# Altium PCB RGV_Control_1V21.PcbDoc (part 3 of 6) (continued)
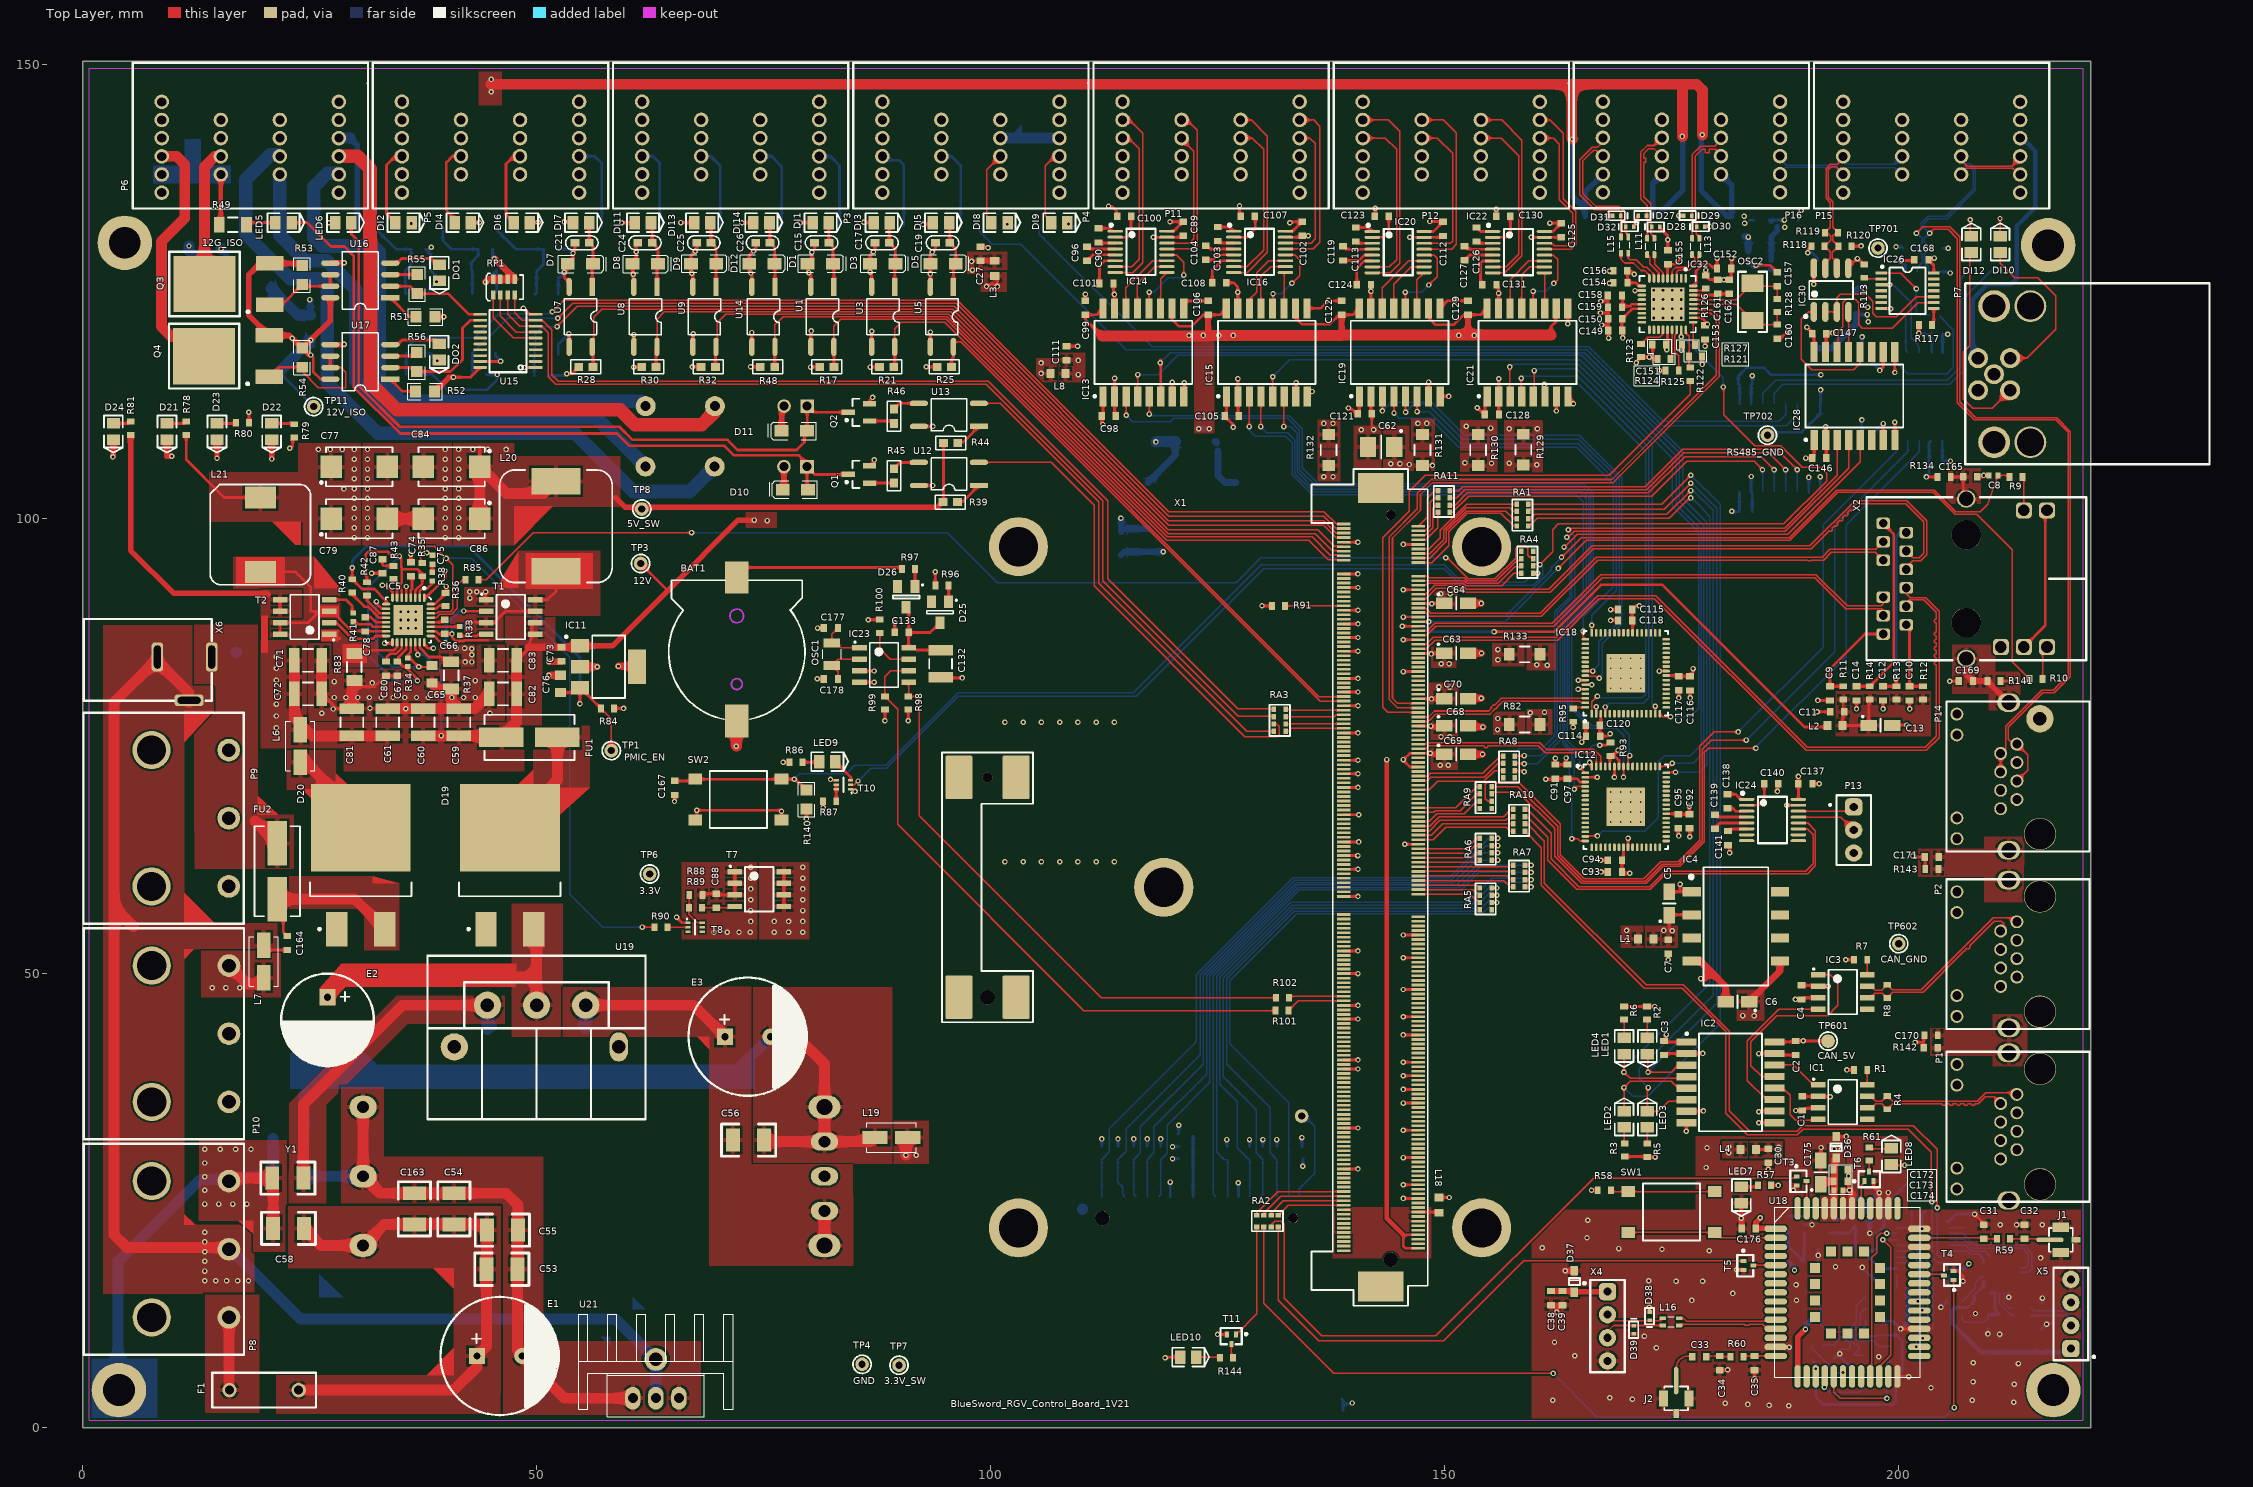
[diagram p0: Top Layer view]
## Nets (pads, with @x,y where several pads share a name; then routed paths per layer and width w, separated by ;. In a path a pad name is that pad's centre, name@x,y a point inside that pad or via, vN(x,y) a via of type N, cw(c..) or ccw(c..) an arc to the next point about the centre after c; other vN are vias at no path point) (continued)
  Top Layer w0.3: C72.1@26.356,80.747 27.981,79.122 C81.1@29.682,79.122 ; 29.936,81.533 32.171,81.533 C80.1@33.518,82.88 ; v1(31.852,94.031) 33.061,94.031 C87.1@33.048,94.018 ; v1(33.274,86.309) 34.04,86.309 IC5.17@34.155,86.425 ; C80.1@33.518,82.753 C67.1@34.671,82.753 C67.1@34.788,82.753 ; IC5.5@35.655,91.325 v1(35.655,92.564) ; C74.1@36.155,95.238 36.175,95.257 v1(36.175,96.125) ; IC5.24@37.655,86.425 37.655,86.17 38.075,85.75 v1(38.659,85.75) ; v1(37.922,96.291) 37.966,96.291 v1@38.087,96.17 ; IC5.32@38.355,90.625 38.835,90.625 39.969,91.759 39.929,91.799 40.081,91.952 v1(40.081,92.564) ; U15.19@43.813,117.324 45.999,117.324 v1(46.05,117.375) ; v1(48.565,123.189) 49.23,122.524 U15.10@49.913,122.524 ; v1(48.675,116.674) U15.1@49.913,116.674 ; C73.1@52.654,84.213 52.723,84.283 C73.1@52.756,84.315 ; v1(53.575,120.396) 53.594,120.377 U7.3@53.594,118.95 ; U7.2@53.594,125.55 53.594,126.062 53.075,126.581 v1(53.075,127.15) 53.442,127.517 D7.1@53.442,128.092 54.025,128.676 v1(54.025,129.25) 54.229,129.454 C21.2@54.229,130.404 ; R84.1@58.535,79.144 v1(59.588,79.144) ; U8.3@60.731,118.95 v1(60.731,120.3) ; U8.2@60.731,125.55 60.65,125.632 v1(60.65,126.925) 60.579,126.996 D8.1@60.579,128.092 60.975,128.488 v1(60.975,129.425) 60.975,130.215 C24.2@61.163,130.404 ; v1(65.2,68.9) 65.236,68.936 C167.1@65.236,69.612 ; v1(65.43,56.141) 66.023,55.548 T8.1@66.676,55.548 ; U9.3@67.225,118.95 67.225,120.35 v1(67.25,120.375) ; U9.2@67.225,125.55 67.225,126.945 v1(67.1,127.07) 67.005,127.165 D9.1@67.005,128.118 67.005,129.005 v1(67.475,129.475) 67.649,129.649 C25.2@67.649,130.404 ; SW2.1@67.471,66.869 67.649,67.046 v1(67.649,67.925) 76.867,67.925 76.971,67.821 SW2.2@76.971,66.869 ; v1(73.7,120.525) 73.719,120.506 U14.3@73.719,118.95 ; U14.2@73.719,125.55 73.719,126.942 v1(73.587,127.075) 73.431,127.23 D12.1@73.431,128.118 73.431,129.031 v1(73.9,129.5) 74.134,129.734 C26.2@74.134,130.404 ; U1.3@80.213,118.95 80.213,120.663 v1(80.25,120.7) ; U1.2@80.213,125.55 80.213,126.91 v1(80,127.123) 79.858,127.266 D1.1@79.858,128.118 80.325,128.585 v1(80.325,129.375) 80.62,129.67 C15.2@80.62,130.404 ; v1(80.924,82.398) 80.95,82.372 C178.2@81.648,82.372 ; v1(80.95,87.986) C177.2@81.648,87.986 ; v1(82.372,71.323) 82.484,71.323 82.571,71.237 T10.4@83.005,71.237 ; T10.1@84.585,70.237 84.888,70.237 85.075,70.05 v1(85.075,70) ; IC23.4@85.565,82.017 v1(87.173,82.017) ; IC23.3@85.565,83.287 85.59,83.261 v1(87.173,83.261) v1@87.249,83.261 ; Q1.2@86.671,105.852 86.727,105.852 87.198,106.323 v1(87.198,106.502) ; Q2.2@86.671,112.685 86.671,113.046 v1(87,113.375) ; U3.3@86.893,118.95 86.893,120.643 v1(86.925,120.675) ; U3.2@86.893,125.55 86.893,127.007 v1(86.725,127.175) 86.716,127.184 D3.1@86.716,128.118 86.716,129.041 v1(87.1,129.425) 87.274,129.599 C17.2@87.274,130.404 ; C133.1@89.446,87.528 v1(89.446,88.582) ; U5.3@93.37,118.95 v1(93.37,120.575) ; U5.2@93.37,125.55 93.37,126.97 v1(93.375,126.975) 93.375,128.113 D5.1@93.37,128.118 93.37,129.195 v1(93.575,129.4) 93.929,129.754 C19.2@93.929,130.404 ; C132.1@94.361,82.7 C132.1@94.499,82.561 94.79,82.271 95.019,82.499 v1(96.876,82.499) ; C27.1@98.877,129.985 99.485,129.985 99.5,130 99.65,130 99.72,129.93 v1(99.72,129.87) ; C111.1@108.3,119.025 C111.1@108.362,119.025 109.55,119.025 v1(109.575,119) ; v1(113.65,115.5) IC13.2@113.65,113.489 113.65,111.458 C98.1@113.78,111.328 ; IC13.8@121.27,113.489 121.325,113.544 v1(121.325,115) ; v1(124.975,10.225) 124.986,10.214 T11.2@126.017,10.214 ; v1(127.225,115.425) 127.225,113.502 IC15.2@127.239,113.489 127.239,111.407 C105.1@127.318,111.328 ; IC15.8@134.859,113.489 v1(135.4,114.03) ; X1.285@138.862,28.446 v1@140.32,28.446 ; X1.267@138.862,32.946 v1(140.444,32.946) v1@140.46,32.946 ; X1.241@138.862,39.446 v1@140.411,39.446 ; X1.237@138.862,40.446 v1@140.313,40.446 ; X1.219@138.862,44.946 v1@140.195,44.946 ; X1.213@138.862,46.446 v1@140.248,46.446 ; X1.199@138.862,49.946 v1@140.293,49.946 ; X1.189@138.862,52.446 v1@140.302,52.446 ; X1.165@138.862,58.446 v1@140.307,58.446 ; X1.153@138.862,61.446 v1@140.255,61.446 ; X1.147@138.862,62.946 140.254,62.946 v1@140.31,62.89 ; X1.141@138.862,64.446 139.757,64.446 139.763,64.44 v1@140.31,64.44 ; X1.129@138.862,67.446 140.208,67.446 ; X1.117@138.862,70.446 v1(140.444,70.446) v1@140.476,70.446 ; X1.111@138.862,71.946 v1(140.444,71.946) v1@140.526,71.946 ; X1.105@138.862,73.446 v1(140.444,73.446) v1@140.524,73.446 ; X1.93@138.862,76.446 v1(140.444,76.446) v1@140.585,76.446 ; X1.81@138.862,79.446 v1(140.444,79.446) ; X1.75@138.862,80.946 v1(140.444,80.946) v1@140.517,80.946 ; X1.69@138.862,82.446 v1(140.444,82.446) v1@140.51,82.446 ; X1.57@138.862,85.446 v1@140.258,85.446 ; X1.51@138.862,86.946 v1@140.308,86.946 ; X1.45@138.862,88.446 v1@140.383,88.446 ; X1.39@138.862,89.946 v1(140.444,89.946) ; X1.29@138.862,92.446 140.477,92.446 v1@140.487,92.456 ; X1.23@138.862,93.946 v1(140.44,93.946) ; X1.9@138.862,97.446 v1(140.44,97.446) ; IC19.2@141.783,113.575 IC19.2@141.869,113.489 C121.1@141.869,111.509 ; C121.1@141.974,111.582 141.974,110.02 v1(142.164,109.83) ; v1(145.428,54.196) X1.182@147.062,54.196 ; v1@145.431,37.196 X1.250@147.062,37.196 ; v1@145.466,26.696 X1.292@147.062,26.696 ; v1@145.467,25.196 X1.298@147.062,25.196 ; v1@145.495,29.696 X1.280@147.062,29.696 ; v1@145.498,51.696 X1.192@147.062,51.696 ; v1@145.561,32.696 X1.268@147.062,32.696 ; v1(145.578,64.196) X1.142@147.062,64.196 ; v1@145.655,38.696 X1.244@147.062,38.696 ; v1@145.66,35.696 X1.256@147.062,35.696 ; v1@145.678,45.196 X1.218@147.062,45.196 ; v1@145.718,40.196 X1.238@147.062,40.196 ; v1@145.72,43.196 X1.226@147.062,43.196 ; 145.783,48.196 X1.206@147.062,48.196 ; L18.2@149.377,25.3 150.493,25.3 v1(150.495,25.298) ; IC19.8@149.489,113.489 v1(150.447,113.489) ; v1(155.941,115.434) IC21.2@155.941,113.489 155.944,113.486 C128.1@155.944,111.425 ; v1@162.154,73.482 C91.1@162.154,72.962 C97.1@163.5,72.962 163.347,73.115 v1(163.347,73.685) 163.373,73.685 v1@163.474,73.787 ; IC21.8@163.561,113.489 164.16,112.889 v1(164.16,112.673) ; v1(165.075,75.438) 165.075,75.6 C114.1@165.55,76.075 165.525,76.1 C120.1@165.525,77.275 ; IC12.2@165.476,71.551 v1(166.776,71.552) v1(166.776,71.552) ; IC18.59@165.476,81.757 v1(166.182,81.757) ; v1(166.15,26.1) 166.164,26.086 R58.1@166.839,26.086 ; IC18.2@166.676,78.557 v1(166.676,79.324) ; v1(167.132,122.682) 167.808,122.682 167.815,122.675 ; v1@167.176,123.975 167.815,123.975 ; v1(167.183,62.433) C94.1@167.957,62.433 ; v1(167.208,61.138) C93.1@167.957,61.138 ; v1(167.259,121.35) 167.941,121.35 168.016,121.425 ; C158.1@167.804,124.601 167.975,124.43 167.975,123.975 167.815,123.975 ; C149.1@167.804,120.74 168.032,120.512 v1(168.032,119.913) ; C150.1@167.842,122.027 168,122.185 168,123.279 C159.1@167.965,123.314 167.965,123.825 167.815,123.975 ; v1(167.9,133.375) D31.1@168.425,133.375 ; C149.1@167.992,120.74 168.016,121.425 ; C150.1@167.992,122.027 168.016,121.425 ; 168.025,121.425 168.016,121.425 ; v1(168.123,125.955) 168.523,125.955 C154.1@168.566,125.998 ; v1(168.123,127.293) 168.515,127.293 C156.1@168.54,127.319 ; v1@168.275,88.852 C118.1@169.1,88.852 ; v1@168.312,90.021 C115.1@169.137,90.021 ; v1(168.676,71.572) IC12.59@168.676,72.751 ; IC12.25@170.18,63.851 v1(170.18,64.846) ; D32.1@170.808,132.283 171.15,132.625 v1(171.15,132.675) 171.15,133.25 D27.1@171.3,133.4 ; v1(170.942,125.146) 170.946,125.15 IC32.11@171.7,125.15 ; v1(171.069,117.196) 171.069,117.287 R123.2@171.603,117.821 v1(172.518,117.821) ; v1(172.517,13.208) 172.517,12.758 D38.1@172.55,12.725 ; C151.1@172.885,119.206 172.885,118.188 v1(172.518,117.821) ; R124.2@173.525,117.614 172.725,117.614 v1(172.518,117.821) ; v1(173.613,83.257) IC18.25@174.376,83.257 ; v1(173.634,116.332) 173.639,116.336 R125.2@174.307,116.336 ; D28.1@173.678,132.047 174.55,131.175 v1(174.55,130.747) 174.55,129.607 C155.1@174.574,129.583 ; C3.1@174.142,40.984 174.298,41.139 IC2.2@176.608,41.139 178.38,41.139 v1(178.4,41.159) ; v1(174.6,51.475) C7.1@174.6,52.125 ; C5.2@174.701,58.964 174.71,58.954 175.779,58.954 ; v1@175.689,65.1 C95.1@175.689,65.95 ; v1@175.743,80.493 C117.1@175.743,81.14 ; v1(175.743,133.4) D29.1@176.275,133.4 ; v1(175.9,59.775) 175.9,59.076 175.779,58.954 ; v1(176.047,118.593) 176.047,119.08 176.05,119.083 176.047,119.086 R127.1@176.1,119.139 ; v1(176.575,32.588) 176.608,32.621 IC2.8@176.608,33.519 ; v1(176.975,65.025) 176.975,65.71 C92.1@177.216,65.951 ; v1@176.987,80.262 v1@176.987,80.3 ; C116.1@176.987,81.115 176.987,80.338 v1(177.025,80.3) ; IC4.1@177.192,58.954 175.779,58.954 ; R121.1@178.325,117.889 178.325,117.039 v1(178.35,117.014) ; D30.1@178.631,132.175 178.663,132.207 v1(179.155,132.207) ; v1(178.65,119.014) C153.1@178.65,119.764 ; v1(178.725,127.389) 178.74,127.374 178.74,126.764 179.155,126.349 C161.1@180.061,126.349 v1(180.7,126.349) C162.1@181.331,126.349 181.522,126.54 C152.1@181.522,127.563 181.575,127.617 v1(181.575,128.689) ; C34.1@180.264,6.297 181.099,6.297 v1(181.127,6.325) ; C141.1@181.178,64.097 181.356,63.919 v1(181.356,63.246) ; v1(182.131,17.325) 182.133,17.323 T5.2@182.905,17.323 ; 182.65,22.525 v1(182.65,23.012) LED7.K@182.65,24.685 ; v1(184.099,5.359) C35.1@184.099,6.296 ; v1(184.25,127.919) 185.84,127.919 C157.1@186.589,127.17 ; v1(185.625,28.4) C30.1@185.625,29.125 ; U18.14@186.435,8.85 v1@187.935,8.85 ; C160.1@186.589,119.854 186.954,119.854 v1(187.85,120.75) ; v1(186.625,70) 186.625,70.75 C140.1@186.725,70.85 ; v1(187.65,68.478) IC24.15@188.93,68.478 ; v1(188.375,26.1) 188.375,26.25 T3.2@188.75,26.625 ; C137.1@190.475,70.85 v1(191.225,70.85) ; v1(190.983,78.765) C11.1@192.265,78.765 ; v1(191.052,80.016) C9.1@192.405,80.016 ; C175.2@191.425,29.375 v1(191.425,30.8) ; v1(191.925,110.15) 191.932,110.143 IC28.2@191.932,108.688 192.012,108.609 C146.1@192.012,106.705 ; D36.2@193.116,32.016 194.191,32.016 v1(194.2,32.025) ; C174.1@193.84,26.075 194.525,26.075 194.45,26.15 194.45,27.673 v1(194.452,27.675) 194.452,28.332 C172.1@194.45,28.335 ; v1(195.326,79.082) C14.1@195.326,80.016 ; T6.2@197.231,27.127 197.231,26.429 v1(197.835,25.825) U18.45@197.835,24.1 ; v1(198.247,79.082) C12.1@198.247,80.016 ; v1(198.825,25.85) 198.835,25.84 U18.44@198.835,24.1 ; C13.2@199.268,77.267 199.318,77.318 v1(200.863,77.318) ; v1(199.55,110.65) 199.552,110.648 IC28.8@199.552,108.688 ; U18.27@199.835,5.6 201.033,5.6 v1(201.07,5.563) ; v1(200.175,10.825) 202.21,10.825 U18.31@202.235,10.85 ; v1@201.168,78.918 C10.1@201.168,80.016 ; v1(201.5,62.9) 201.614,62.786 C171.1@202.825,62.786 202.9,62.711 R143.1@202.9,61.461 ; v1(201.775,42.4) 202.675,42.4 202.713,42.438 ; U18.40@202.235,19.825 U18.40@202.235,19.85 ; U18.42@202.235,21.85 v1(202.525,21.85) ; C170.1@202.713,41.775 202.713,42.438 ; R142.1@202.825,43.15 202.713,43.038 202.713,42.438 ; v1(203.022,104.623) R134.1@204.253,104.623 ; v1(205.6,82.125) 205.625,82.15 C169.1@206.6,82.15 ; T4.2@206.019,17.221 206.479,17.221 207.05,16.65 v1(207.05,16.075) ; v1(208.325,23.45) 209.349,22.426 C31.2@209.349,22.3 ; C165.1@208.623,104.635 209.175,104.635 v1(209.331,104.791) C8.1@209.924,104.791 ; R141.1@211.197,82.15 212.325,82.15 v1(212.35,82.125) ; v1(212.95,22.3) C32.2@213.825,22.3
  Top Layer w0.6: v1(3.375,106.825) 3.429,106.879 D24.K@3.429,108.737 ; D21.K@9.322,108.737 9.322,106.922 9.344,106.9 v1(9.864,106.9) ; v1(14.832,106.675) D23.K@14.832,108.737 ; v1(20.856,106.6) D22.K@20.856,108.737 ; C38.2@161.697,13.449 162.323,13.449 162.324,13.45 ; v1(162.325,12.65) 162.324,12.651 162.324,13.45 ; C39.2@162.95,13.45 162.324,13.45 ; v1(163.271,17.247) 163.288,17.23 D37.2@164.275,17.23 ; v1(182.65,23.012) 182.689,22.973 C176.2@182.689,21.895
  Top Layer w0.75: v1(44.4,126.075) 44.715,126.39 RP1.1@45.225,126.39 RP1.2@46.025,126.39 RP1.3@46.825,126.39 RP1.4@47.625,126.39 45.365,128.65 v1(45.35,128.65) ; v1(51.375,82.775) 52.64,82.775 C76.1@52.654,82.789 ; v1@51.5,84.283 C73.1@52.723,84.283 ; IC11.2@54.787,83.729 v1(56.686,83.729) ; v1(59.03,83.795) 61.021,83.795 IC11.4@61.087,83.729 ; C69.2@152.557,74.092 v1(154.153,74.092) ; C68.2@152.557,77.089 v1(154.203,77.089) ; C70.2@152.557,80.213 152.601,80.257 v1(154.026,80.257) ; C63.2@152.557,85.217 v1(154.041,85.217) ; C64.2@152.557,90.703 v1(154,90.703) ; v1(194.55,26.1) 194.835,25.815 U18.48@194.835,24.1
  Top Layer w1.2: P10.1@16.145,50.826 18.165,48.807 L7.2@20.015,48.807 ; C72.1@26.356,80.747 C71.1@26.356,84.43 ; C81.1@29.682,79.122 29.682,81.279 29.936,81.533 ; C79.2@33.593,100.025 C86.2@37.553,100.025 ; C61.1@33.607,79.122 C60.1@37.531,79.122 C59.1@41.456,79.122 ; C65.1@38.506,81.956 39.183,81.279 R37.2@40.604,81.279 40.604,79.973 C59.1@41.456,79.122 ; C82.1@44.819,80.747 43.195,79.122 C59.1@41.456,79.122 ; v1(72.009,74.981) 72.009,77.698 BAT1.2@72.06,77.749 ; v1(90.675,29.946) 90.675,31.71 L19.2@90.868,31.902
  Bottom Layer w0.2: v1(193.472,8.103) 193.472,8.491 193.587,8.607 ; 193.619,8.6 194.437,8.6 194.613,8.776 194.613,9.325 194.387,9.55 D43.2@194.028,9.55
  Bottom Layer w0.3: U2.3@38.202,118.225 39.002,117.425 v1(39.075,117.425) ; U2.2@38.202,124.825 38.202,125.325 v1(39.002,126.125) 39.002,126.719 D2.1@38.355,127.367 38.355,129.119 C16.2@37.77,129.704 38.204,129.704 v1(38.425,129.925) ; v1(44.4,126.075) 44.4,126.147 D4.1@45.62,127.367 45.62,124.977 U4.2@45.493,124.85 ; C18.2@45.162,129.704 45.162,128.838 v1(45.35,128.65) ; U4.3@45.493,118.25 45.493,117.932 v1(46.05,117.375) ; C20.2@52.362,129.704 53.571,129.704 v1(54.025,129.25) ; U6.3@52.387,118.15 52.387,118.712 52.4,118.725 52.4,119.221 v1(53.575,120.396) ; U6.2@52.387,124.75 52.387,126.462 v1(53.075,127.15) ; v1(119.775,27) 119.777,26.998 X7.10@119.777,25.4 ; v1(120.025,29.575) 120.037,29.563 C135.1@120.683,29.563 ; v1(120.025,30.875) C134.1@120.675,30.875 ; v1(127.275,26.925) 127.277,26.923 X7.6@127.277,25.4 ; v1(134.35,28.75) 134.379,28.779 C136.1@134.379,29.563 ; R135.1@138.675,3.125 138.789,3.011 138.789,2.55 ; C166.1@138.789,1.87 138.789,2.55 ; v1(139.825,2.675) 139.7,2.55 138.789,2.55 ; v1(179.155,132.207) 179.155,132.843 178.975,133.023 D35.2@179.227,133.275 ; C144.2@183.358,131.089 v1(183.413,131.034) ; v1(183.75,104.675) 183.708,104.633 IC6.15@183.708,102.973 183.858,102.823 C22.1@183.858,100.787 ; C148.1@188.925,132.893 188.925,133.655 v1(189.255,133.985) ; IC10.2@189.592,22.352 189.644,22.3 v1(190.425,22.3) ; C50.1@191.094,18.288 191.1,18.294 v1(191.1,18.923) C49.1@191.1,19.675 ; v1(191.325,104.65) 191.328,104.647 IC6.9@191.328,102.973 ; C40.1@192.862,7.531 193.434,8.103 v1(193.472,8.103) 193.472,7.861 C42.1@194.945,6.388 ; IC25.8@195.89,108.588 195.89,110.865 v1(195.925,110.9) ; v1@195.925,17.625 v1(195.95,17.6) 197.637,15.913 C44.2@197.942,15.913 ; C52.1@196.775,22.15 196.775,21.375 v1(196.8,21.35) ; C37.2@197.739,11.671 C36.1@198.958,11.672 C36.1@198.958,11.672 199.328,11.672 v1(200.175,10.825) ; v1(202.525,21.85) 202.525,23.432 R69.1@202.884,23.79 ; v1(203.022,104.623) 203.314,104.914 C142.1@203.314,106.375 203.314,108.392 IC25.2@203.51,108.588 ; v1(204.625,13.2) 205.25,13.825 R68.2@205.25,14 ; IC9.11@205.272,22.643 IC9.11@205.466,22.643 206.306,23.483 R70.2@207.264,23.483 208.292,23.483 v1(208.325,23.45) ; C46.2@208.274,12.317 208.274,12.374 v1(208.425,12.525) ; v1(209.8,10.275) 209.8,10.841 C48.2@209.822,10.863 ; v1(211.075,10.25) 211.075,9.775 R66.2@211.1,9.75 ; v1(212.075,14.326) IC8.2@212.075,14.8 ; D40.2@215.7,10.73 215.7,10.8 v1(216.25,11.35) 216.35,11.45 D42.1@217.025,11.45 ; D41.1@215.773,13.709 215.773,14.199 v1(215.798,14.224) 215.798,14.202 v1@215.8,14.2
  Bottom Layer w0.5: v1(200.175,10.825) 201.025,11.675 R67.1@201.025,15.15
  Bottom Layer w0.6: v1(194.55,26.1) R77.1@196.634,24.016 ; C52.1@196.775,22.15 196.775,23.531 R77.1@196.634,23.673 R77.1@196.634,24.016 ; v1(197.835,25.825) 196.634,24.624 R77.1@196.634,24.016
  Bottom Layer w0.75: C109.2@114.383,96.021 114.752,96.39 IC17.1@117.325,96.39 v1(119,96.39) ; C144.2@182.989,131.089 C144.2@183.358,131.089 ; IC31.1@183.414,128.514 184.009,127.919 v1(184.25,127.919) ; 183.413,129.5 v1(183.413,131.034)
  Bottom Layer w1.2: v1(11.75,130.05) 11.75,129.525 C28.2@13.25,128.025 13.169,127.944 IC7.1@13.169,125.382
  other v1: 187.858,2.362 185.699,2.413 183.358,2.515 180.873,2.642 212.649,2.743 161.874,2.972 208.077,2.972 170.663,3.073 168.148,3.251 203.53,4.343 212.7,4.724 208.158,5.004 213.157,7.01 208.178,7.112 197.775,7.772 164.313,7.874 173.304,8.763 187.935,8.814 162.077,9.373 171.983,10.033 177.175,13.97 188.722,13.995 181.712,14.732 188.671,15.697 175.463,16.078 178.384,16.078 172.466,16.129 193.015,17.667 215.595,18.644 179.121,19.446 173.914,19.609 169.164,19.674 160.731,19.761 165.659,20.879 211.15,22.284 215.773,22.284 165.735,22.784 145.427,25.196 145.427,26.696 140.444,28.446 178.765,28.602 145.428,29.696 91.8,29.946 178.867,30.785 145.428,32.696 145.428,35.696 145.428,37.196 145.428,38.696 140.444,39.446 145.428,40.196 140.444,40.446 145.428,43.196 140.444,44.946 145.428,45.196 140.444,46.446 145.428,48.196 14.3,48.4 15.812,48.4 17.325,48.4 140.444,49.946 145.428,51.696 140.444,52.446 140.444,58.446 140.444,61.446 140.437,62.941 140.538,64.44 175.743,65.1 140.538,67.446 76.975,67.825 162.179,73.66 26.35,78.623 44.875,78.623 27.625,79.075 201.193,79.082 35.625,79.1 31.675,79.15 175.743,80.3 27.725,80.342 29.021,80.342 30.317,80.342 31.612,80.342 32.908,80.342 34.204,80.342 35.5,80.342 36.796,80.342 38.092,80.342 40.683,80.342 41.979,80.342 43.275,80.342 31.925,81.946 27.725,82.1 43.275,82.206 51.375,84.283 140.444,85.446 140.444,86.946 140.444,88.446 168.25,88.827 168.25,90.021 140.444,92.456 31.4,97.95 39.969,97.95 31.4,99.028 39.969,99.028 31.4,100.106 39.969,100.106 31.4,101.183 39.969,101.183 31.4,102.261 39.969,102.261 31.4,103.339 39.969,103.339 31.4,104.417 39.969,104.417 31.4,105.494 39.969,105.494 31.4,106.572 39.969,106.572 31.4,107.65 39.969,107.65 140.818,109.83 167.176,123.952
  other v2: 168.276,66.651 169.376,66.651 170.476,66.651 171.576,66.651 168.276,67.751 169.376,67.751 170.476,67.751 171.576,67.751 168.276,68.851 169.376,68.851 170.476,68.851 171.576,68.851 168.276,69.951 169.376,69.951 170.476,69.951 171.576,69.951 168.276,81.357 169.376,81.357 170.476,81.357 171.576,81.357 168.276,82.457 169.376,82.457 170.476,82.457 171.576,82.457 168.276,83.557 169.376,83.557 170.476,83.557 171.576,83.557 168.276,84.657 169.376,84.657 170.476,84.657 171.576,84.657
  other v3: 35.058,87.957 35.887,87.957 36.716,87.957 35.058,88.875 35.887,88.871 36.716,88.875 35.058,89.785 35.887,89.785 36.716,89.785 173.005,122.13 174.018,122.13 175.032,122.13 176.045,122.13 173.005,123.143 174.018,123.143 175.032,123.143 176.045,123.143 173.005,124.157 174.018,124.157 175.032,124.157 176.045,124.157 173.005,125.17 174.018,125.17 175.032,125.17 176.045,125.17
GND_IN: C164.1 L7.1 P8.2 U21.2 U21.4 X6.2 X6.3 | length 147.2
  Top Layer w0.3: L7.1@19.714,52.086 20.168,52.54 C164.1@22.555,52.54
  Top Layer w1.2: 5.639,55.118 3.505,57.252 ; X6.3@11.751,79.807 11.751,80.824 8.271,84.304 8.271,84.582 3.505,79.816 3.505,57.252 ; P8.2@16.145,19.794 4.909,19.794 3.505,21.198 3.505,57.252
  Bottom Layer w1.2: P8.2@16.145,19.794 24.026,11.913 58.702,11.913 U21.4@63.144,7.47 U21.2@63.144,3.2
  other v1: 13.475,16.125 14.681,16.125 15.887,16.125 17.094,16.125 18.3,16.125 13.475,17.195 13.475,18.265 13.475,19.335 13.475,20.405 13.475,21.475
GPS_ANT: C35.2 R60.2 U18.15 | length 3.6
  Top Layer w0.162: R60.2@182.894,7.772 182.967,7.846 C35.2@184.099,7.846 184.103,7.85 U18.15@186.435,7.85
I2C1_SCL: IC23.6 R99.1 R101.2 | length 70
  Top Layer w0.15: IC23.6@91.187,83.287 IC23.6@90.965,83.287 89.002,83.287 88.367,82.652 R99.1@88.367,80.456 89.764,79.059 89.764,66.386 110.275,45.875 110.892,45.875 110.894,45.872 R101.2@131.355,45.872
I2C1_SDA: IC23.5 R98.1 R102.2 | length 63.2
  Top Layer w0.15: IC23.5@90.965,82.017 90.965,80.489 R98.1@90.932,80.456 91.604,80.456 92.125,79.935 92.125,67.325 112.155,47.295 R102.2@131.406,47.295
MXM3_12_M: RA1.1 X1.12 | length 13.4
  Top Layer w0.15: X1.12@147.062,96.696 148.271,96.696 149.5,97.925 149.5,98.734 152.391,101.625 RA1.1@157.9,101.625
MXM3_14_M: RA1.2 X1.14 | length 13.7
  Top Layer w0.15: X1.14@147.062,96.196 148.321,96.196 149.86,97.735 149.86,98.74 152.341,101.221 157.179,101.221 157.575,100.825 RA1.2@157.9,100.825
MXM3_16_M: RA1.3 X1.16 | length 14
  Top Layer w0.15: X1.16@147.062,95.696 148.321,95.696 150.165,97.54 150.165,98.691 152.345,100.871 156.729,100.871 157.575,100.025 RA1.3@157.9,100.025
MXM3_18_M: RA1.4 X1.18 | length 14.6
  Top Layer w0.15: X1.18@147.062,95.196 148.587,95.196 150.447,97.056 150.447,98.606 152.462,100.621 156.179,100.621 157.575,99.225 RA1.4@157.9,99.225
MXM3_24: R85.1 RA4.6 | length 125.5
  Top Layer w0.15: R85.1@43.641,93.32 44.47,93.32 49.651,98.501 v1(67.081,98.501) ; v1(150.1,95.725) 150.298,95.725 152.602,93.421 155.522,93.421 157.785,95.684 157.785,96.714 158.101,97.03 158.877,97.03 159.131,96.776 159.131,96 159.331,95.8 RA4.6@159.539,95.8
  Bottom Layer w0.15: v1(67.081,98.501) 95.225,98.501 100.736,92.989 127.014,92.989 129.75,95.725 v1(150.1,95.725)
MXM3_24_M: RA4.2 X1.24 | length 12.6
  Top Layer w0.15: X1.24@147.062,93.696 148.05,93.696 148.225,93.521 152.148,93.521 152.498,93.171 155.68,93.171 157.915,95.406 158.216,95.406 RA4.2@158.441,95.631
MXM3_26: IC32.26 RA4.7 T10.2 | length 152.5
  Top Layer w0.15: T10.2@84.585,70.737 84.991,70.737 v1(85.4,71.145) ; RA4.7@159.745,95 160.45,95 v1(160.475,94.975) 161.875,96.375 161.875,98.825 162.5,99.45 187.325,99.45 192.05,104.175 192.05,105.007 191.357,105.7 189.326,105.7 186.976,108.05 184.125,108.05 180.7,111.475 v1@180.7,114.529 ; v1(176.022,120.066) 176.022,120.822 IC32.26@176.025,120.825
  Bottom Layer w0.15: v1(85.4,71.145) 86.83,72.575 88.526,72.575 96.444,80.493 116.053,80.493 130.081,94.521 149.929,94.521 151.74,92.71 159.716,92.71 160.798,93.793 160.798,94.652 v1(160.475,94.975) ; v1(176.022,120.066) 176.022,120.161 180.645,115.538 v1(180.645,114.529)
MXM3_26_M: RA4.3 X1.26 | length 12.3
  Top Layer w0.15: X1.26@147.062,93.196 152.12,93.196 152.395,92.921 155.913,92.921 157.709,94.717 158.326,94.717 RA4.3@158.441,94.831
MXM3_28: C167.2 R140.1 RA4.8 SW2.3 SW2.4 | length 110
  Top Layer w0.15: RA4.8@159.709,94.031 RA4.8@159.741,94.031 v1(160.223,94.031)
  Top Layer w0.3: C167.2@65.236,71.162 67.265,71.162 SW2.3@67.471,71.369 67.59,71.25 67.69,71.35 SW2.4@76.952,71.35 ; v1(78.375,71.35) SW2.4@76.952,71.35 ; R140.1@79.725,70.15 78.506,71.369 SW2.4@76.971,71.369 SW2.4@76.952,71.35
  Bottom Layer w0.15: v1(78.375,71.35) 79,71.975 84.107,71.975 85.032,72.9 88.445,72.9 96.418,80.874 115.72,80.874 129.792,94.945 149.962,94.945 151.892,93.015 158.825,93.015 159.841,94.031 v1(160.223,94.031)
MXM3_28_M: RA4.4 X1.28 | length 12.2
  Top Layer w0.15: X1.28@147.062,92.696 147.851,92.696 148.101,92.946 152.016,92.946 152.291,92.671 156.247,92.671 157.607,94.031 RA4.4@158.441,94.031
MXM3_37: R91.2 X1.37 | length 6.4
  Top Layer w0.15: R91.2@132.425,90.425 138.841,90.425 X1.37@138.862,90.446
MXM3_144: R109.1 RA6.5 X7.15 | length 68.8
  Top Layer w0.15: RA6.5@155.148,64.846 v1(155.825,64.846)
  Bottom Layer w0.15: X7.15@112.277,25.4 112.243,25.434 R109.1@112.243,29.476 113.081,30.314 113.081,32.842 122.657,42.418 122.657,49.809 133.325,60.477 150.495,60.477 154.864,64.846 v1(155.825,64.846)
MXM3_144_M: RA6.1 X1.144 | length 7.4
  Top Layer w0.15: X1.144@147.062,63.696 152.39,63.696 153.694,65 RA6.1@153.848,64.846
MXM3_146: R108.1 RA6.6 X7.14 | length 67.8
  Top Layer w0.15: RA6.6@155.148,64.046 v1(155.825,64.046)
  Bottom Layer w0.15: X7.14@114.777,25.4 114.521,25.656 114.521,26.454 114.021,26.954 114.021,29.476 114.935,30.39 114.935,32.868 123.063,40.996 123.063,49.809 133.477,60.223 150.673,60.223 154.495,64.046 v1(155.825,64.046)
MXM3_146_M: RA6.2 X1.146 | length 7.1
  Top Layer w0.15: X1.146@147.062,63.196 152.446,63.196 153.296,64.046 RA6.2@153.848,64.046
MXM3_148: R107.1 RA6.7 X7.13 | length 66.3
  Top Layer w0.15: RA6.7@155.148,63.246 v1(155.825,63.246)
  Bottom Layer w0.15: X7.13@116.027,25.4 115.748,25.679 R107.1@115.748,29.476 116.484,30.212 116.484,33.071 123.4,39.986 123.4,49.738 133.631,59.969 150.969,59.969 154.246,63.246 v1(155.825,63.246)
MXM3_148_M: RA6.3 X1.148 | length 7
  Top Layer w0.15: X1.148@147.062,62.696 152.973,62.696 153.523,63.246 RA6.3@153.848,63.246
MXM3_150: R103.1 RA6.8 X7.12 | length 65.1
  Top Layer w0.15: RA6.8@155.148,62.446 v1(155.825,62.446)
  Bottom Layer w0.15: X7.12@117.277,25.4 117.221,25.456 R103.1@117.221,29.476 117.983,30.238 117.983,33.071 123.774,38.862 123.774,49.759 133.731,59.715 151.34,59.715 154.071,62.446 v1(155.825,62.446)